# Altium PCB BACKPMANv20.PcbDoc (part 3 of 4) (continued)
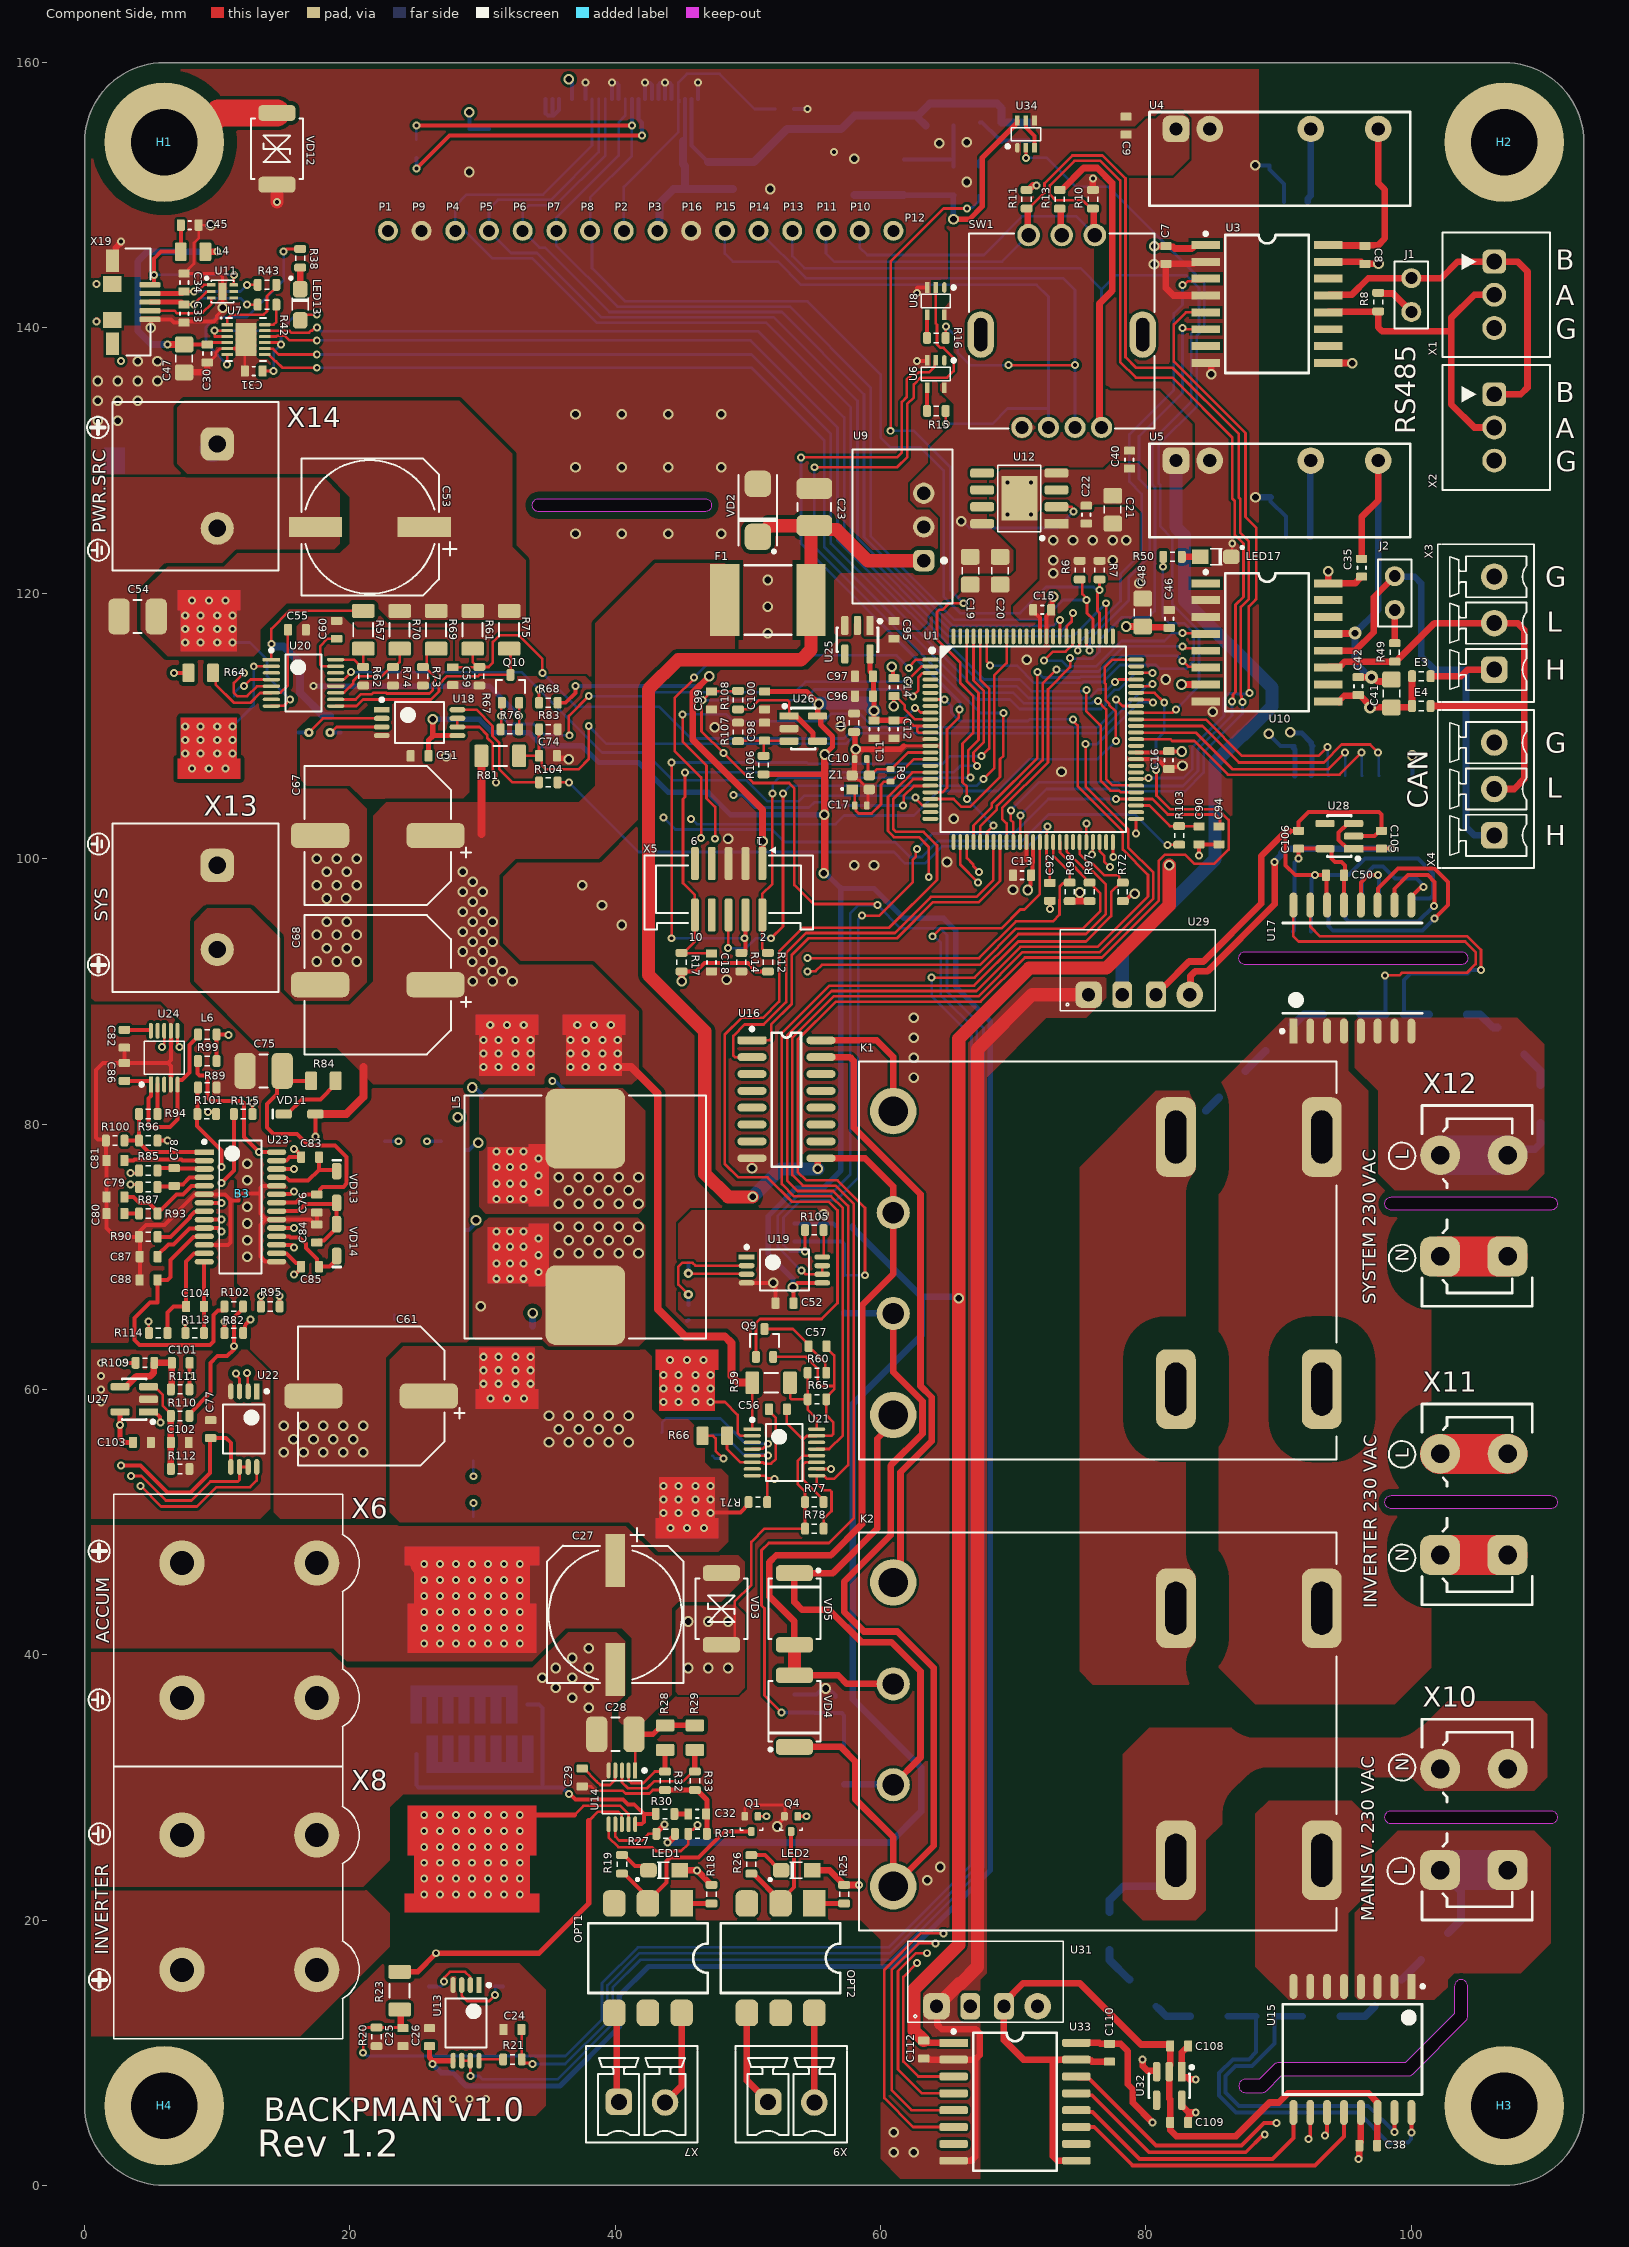
[diagram p0: Component Side view]
## Nets (pads, with @x,y where several pads share a name; then routed paths per layer and width w, separated by ;. In a path a pad name is that pad's centre, name@x,y a point inside that pad or via, vN(x,y) a via of type N, cw(c..) or ccw(c..) an arc to the next point about the centre after c; other vN are vias at no path point) (continued)
IV5V: C35.2 C41.2 C42.2 U5.7 U10.13 | length 30.3
  Component Side w0.5: U10.13@93.75,116.94 93.78,116.97 95.72,116.97 v5(95.75,117) ; C42.2@96,113.675 v5(96.993,113.676) ; C35.2@96.25,122.6 96.25,125.75 97.5,127 U5.7@97.5,130 ; v5(96.993,113.676) 97.129,113.676 97.454,113.35 98.35,113.35 C41.2@98.5,113.5
  Bottom Layer w0.5: v5(96.993,113.676) 96.858,113.676 96.137,114.396 96.104,114.396 95.75,114.75 v5(95.75,117) 97.5,118.75 U5.7@97.5,130
IV5V2: C8.2 U3.16 U4.7 | length 13
  Component Side w0.5: U3.16@93.75,146.25 93.787,146.213 96.462,146.213 C8.2@96.5,146.175 96.55,146.225 97.475,146.225 98,146.75 98,150.422 97.5,150.922 U4.7@97.5,155
L1: R35_1.1 U15.1 U15.2 U15.3 U15.4 X10.1 | length 16
  Layer 2 w3: X10.1@102.17,23.768 X10.1@107.25,23.768
  Bottom Layer w0.6: X10.1@102.17,23.768 103.75,22.188 103.75,20 102.917,19.167 R35_1.1@102.758,19.008
  Bottom Layer w3: X10.1@102.17,23.768 X10.1@107.25,23.768
L1.1: K2.8 U15.5 U15.6 U15.7 U15.8
L1_1: R35.1 R35_1.2 | length 2.1
  Bottom Layer w0.6: R35.1@99.258,15.508 R35_1.2@100.742,16.992
L1_2: R35.2 R36.1 | length 2.9
  Bottom Layer w0.6: R36.1@94.675,12.75 96.5,12.75 R35.2@97.242,13.492
L1_3: R36.2 R37.2 U15.15 | length 25.6
  Component Side w0.3: v1(98.73,4.02) U15.15@98.73,5.5
  Bottom Layer w0.3: R37.2@89.7,12.75 89.7,10.7 88,9 86.75,9 86,8.25 86,7 87,6 96.75,6 v1(98.73,4.02)
  Bottom Layer w0.5: R37.2@89.7,12.75 R36.2@91.825,12.75
L2: R48_1.1 U17.5 U17.6 U17.7 U17.8 X12.2 | length 19.6
  Layer 1 w3: X12.2@102.17,77.638 X12.2@107.25,77.638
  Layer 2 w3: X12.2@102.17,77.638 X12.2@107.25,77.638
  Bottom Layer w0.6: X12.2@107.25,77.638 107.709,78.097 109.297,78.097 109.75,78.55 R48_1.1@109.75,80.075
  Bottom Layer w3: X12.2@102.17,77.638 X12.2@107.25,77.638
L2.1: K1.1 K2.1 U17.1 U17.2 U17.3 U17.4
L2_1: R48.2 R48_1.2 | length 2.8
  Bottom Layer w0.6: R48.2@108.508,85.242 109.75,84 R48_1.2@109.75,82.925
L2_2: R47.2 R48.1 | length 2.7
  Bottom Layer w0.6: R47.2@104.175,88.25 105.182,88.25 106.174,87.258 R48.1@106.492,87.258
L2_3: R46.1 R47.1 U17.15 | length 27.3
  Component Side w0.2: U17.15@92.38,96.5 92.38,94.87 93.1,94.15 104.222,94.15 105.25,93.121 105.25,91.596 v1(105.245,91.59)
  Bottom Layer w0.3: R46.1@99.45,88.25 99.45,90.85 99.95,91.35 104.227,91.35 104.467,91.59 v1(105.245,91.59)
  Bottom Layer w0.6: R46.1@99.45,88.25 R47.1@101.325,88.25
L3: K1.8 X11.2 | length 10.2
  Component Side w3: X11.2@102.17,55.138 X11.2@107.25,55.138
  Layer 1 w3: X11.2@102.17,55.138 X11.2@107.25,55.138
LED_GR: U1.21 U6.2 | length 48.1
  Component Side w0.2: v1(54,130.25) 61.25,130.25 61.6,130.6 61.6,134.416 61.967,134.783 61.967,136.1 62.367,136.5 62.684,136.5 62.834,136.65 63.65,136.65 64.075,137.075 64.075,137.475 U6.2@64.15,137.55 ; U1.21@63.75,105 64.65,105 65,105.35 65,109.75 65.889,110.639 65.889,111.193 v1(65.935,111.239)
  Bottom Layer w0.2: v1(54,130.25) 54,123.75 66,111.75 66,111.304 v1(65.935,111.239)
LED_RD: U1.22 U8.2 | length 60.2
  Component Side w0.2: v1(55,129.5) 61.25,129.5 62,130.25 62,134.25 62.5,134.75 62.5,135.75 63,136.25 65,136.25 65.5,136.75 65.5,137.75 64.75,138.5 64.5,138.5 64.25,138.75 64.25,140.25 64.15,140.35 U8.2@64.15,143.05 ; U1.22@63.75,104.5 65.5,104.5 66.1,103.9 66.749,103.9 69,106.151 69,107.5 69.25,107.75 v1(69.25,110.975)
  Bottom Layer w0.2: v1(55,129.5) 55,123.5 67.525,110.975 v1(69.25,110.975)
LEDCAN0: R50.2 U1.95 | length 28.6
  Component Side w0.2: U1.95@68,116.75 68,114.858 68.25,114.608 v1(68.25,114.55) ; v1(81.275,122) 81.287,122.012 81.287,122.737 R50.2@81.3,122.75
  Bottom Layer w0.2: v1(68.25,114.55) 70.275,114.55 71.575,113.25 75.191,113.25 75.251,113.311 76.758,113.311 78.047,114.6 80.749,114.6 81.049,114.3 83.017,114.3 83.595,114.878 83.595,117.004 82.849,117.75 81.75,117.75 81.275,118.225 v1(81.275,122)
MAINS_PATH_STATE: C44.1 R51.2 R52.2 U1.70 VD6.3 | length 87.9
  Component Side w0.2: v1(58.822,68.6) 58.822,73.678 56.75,75.75 54.4,75.75 53.75,76.4 53.75,86.35 56.625,89.225 67.544,89.225 70.869,92.55 76.681,92.55 80.95,96.819 80.95,99.831 81.419,100.3 82.949,100.3 83.624,99.625 85.155,99.625 86.225,100.695 86.225,102.916 85.416,103.725 81.816,103.725 80.794,104.746 80.794,106.634 v1(80.75,106.678) ; U1.70@79.25,112.5 80.65,112.5 v1(81.375,111.775)
  Bottom Layer w0.2: R51.2@57.25,68.6 v1(58.822,68.6) ; v1(80.75,106.678) 80.75,108.921 81.375,109.546 v1(81.375,111.775)
  Bottom Layer w0.3: C44.1@53.5,71.15 57.074,71.15 57.25,70.974 VD6.3@57.25,70.2 R51.2@57.25,68.6
N1: K2.7 R40_1.1 X10.2 | length 7.6
  Bottom Layer w0.6: R40_1.1@77.25,20.6 77.25,21.5 78.3,22.55 81.084,22.55 82.25,23.716 K2.7@82.25,24.5
N1_1: R40.2 R40_1.2 | length 2.9
  Bottom Layer w0.6: R40_1.2@77.25,17.75 77.25,17 R40.2@78.742,15.508
N1_2: R39.2 R40.1 | length 2.9
  Bottom Layer w0.5: R40.1@80.758,13.492 80.9,13.35 R40.1@80.933,13.35
  Bottom Layer w0.6: R40.1@80.933,13.35 81.533,12.75 R39.2@83.325,12.75
N1_3: R37.1 R39.1 U15.16 | length 28
  Component Side w0.3: v1(100,4) U15.16@100,5.5
  Bottom Layer w0.3: R37.1@88.3,12.75 88.3,10.05 87.75,9.5 86.543,9.5 85.5,8.457 85.5,6.793 86.793,5.5 96,5.5 98.25,3.25 99.75,3.25 99.979,3.479 99.979,3.979 v1(100,4)
  Bottom Layer w0.5: R39.1@86.175,12.75 R37.1@88.3,12.75
N2: K1.2 K2.2 R44_1.1 X12.1 | length 11.6
  Component Side w3: X12.1@102.17,70.018 X12.1@107.25,70.018
  Layer 1 w3: X12.1@102.17,70.018 X12.1@107.25,70.018
  Bottom Layer w0.6: 84.525,81 84.525,81.025 R44_1.1@85.492,81.992
N2_1: R44.1 R44_1.2 | length 2.1
  Bottom Layer w0.6: R44_1.2@87.508,84.008 R44.1@88.992,85.492
N2_2: R44.2 R45.1 | length 2.6
  Bottom Layer w0.6: R44.2@91.008,87.508 91.158,87.508 91.9,88.25 R45.1@93.325,88.25
N2_3: R45.2 R46.2 U17.16 | length 29.5
  Component Side w0.2: U17.16@91.11,96.5 91.11,94.14 91.5,93.75 104.056,93.75 104.85,92.956 104.85,92.044 104.206,91.4 99.301,91.4 99.101,91.2 v1(98,91.2)
  Bottom Layer w0.3: v1(98,91.2) 98.052,91.148 R46.2@98.05,88.25 R46.2@98.05,88.25
  Bottom Layer w0.6: R45.2@96.175,88.25 R46.2@98.05,88.25
N3: K1.7 X11.1 | length 10.2
  Component Side w3: X11.1@102.17,47.518 X11.1@107.25,47.518
  Layer 1 w3: X11.1@102.17,47.518 X11.1@107.25,47.518
NetB1_1: B1.1 Q3.3 R24.2 U14.9 | length 9.5
  Component Side w0.2: 36.92,27.92 37.605,28.605 40.385,28.605 40.99,28 40.99,27.235 U14.9@41,27.225
  Component Side w0.4: v4(32.8,27.92) 36.92,27.92
  other v4: 25.6,21.92 26.8,21.92 28,21.92 29.2,21.92 30.4,21.92 31.6,21.92 32.8,21.92 25.6,23.12 26.8,23.12 28,23.12 29.2,23.12 30.4,23.12 31.6,23.12 32.8,23.12 25.6,24.32 26.8,24.32 28,24.32 29.2,24.32 30.4,24.32 31.6,24.32 32.8,24.32 25.6,25.52 26.8,25.52 28,25.52 29.2,25.52 30.4,25.52 31.6,25.52 32.8,25.52 25.6,26.72 26.8,26.72 28,26.72 29.2,26.72 30.4,26.72 31.6,26.72 32.8,26.72 25.6,27.92 26.8,27.92 28,27.92 29.2,27.92 30.4,27.92 31.6,27.92
NetC5_1: C5.1 LCD1.22 P3.1 | length 15
  Bottom Layer w0.3: 45.1,154.075 45.25,154.225 LCD1.22@45.25,157.25
  Bottom Layer w0.6: P3.1@43.18,147.32 43.325,147.465 43.325,149.4 44.4,150.475 45.25,150.475 ; 45.1,154.075 45.1,152.35 45.25,152.2 45.25,150.475 ; C5.1@48.875,150.475 45.25,150.475
NetC6_2: C6.2 R4.1 R5.1 U2.3 | length 7.3
  Bottom Layer w0.3: U2.3@67.4,152.15 67.4,152.6 68.8,154 69.1,154 C6.2@69.25,154.15 ; R5.1@67.5,155.5 67.65,155.5 68.85,154.3 69.1,154.3 C6.2@69.25,154.15 ; R4.1@71.25,154.1 71.225,154.125 69.275,154.125 C6.2@69.25,154.15
NetC29_1: C29.1 U14.4 | length 3.9
  Component Side w0.2: C29.1@37.5,31.425 37.625,31.425 38.6,30.45 38.875,30.175 39.6,30.175 39.981,30.556 39.981,31.256 U14.4@40,31.275
NetC30_1: C30.1 C47.1 L4.2 U7.4 | length 19.7
  Component Side w0.2: C30.1@9.25,138.75 9.4,138.9 U7.4@10.75,138.9
  Component Side w0.3: C47.1@7.5,138.75 C30.1@9.25,138.75
  Component Side w0.5: v1(6.25,138.75) C47.1@7.5,138.75 ; L4.2@9.1,145.75 v1(10,145.75)
  Bottom Layer w0.5: v1(6.25,138.75) 5.048,138.75 4,139.798 4,145 4.75,145.75 v1(10,145.75)
NetC32_1: C32.1 R30.2 | length 1.1
  Component Side w0.4: R30.2@44.45,28 C32.1@45.5,28
NetC45_1: C45.1 L4.1 U11.6 X19.1 | length 13.3
  Component Side w0.2: U11.6@11.25,143.25 v1(11.25,144)
  Component Side w0.3: X19.1@4.927,143.25 5.25,143.25 v1(5.25,144) 5.25,145.25 5.75,145.75 L4.1@7.25,145.75 C45.1@7.25,147.75
  Bottom Layer w0.2: v1(5.25,144) v1(11.25,144)
NetC56_2: C56.2 R66.1 U21.6 | length 9.3
  Component Side w0.2: R66.1@48.425,56.5 48.425,55.5 49.414,54.511 50.286,54.511 50.325,54.472 U21.6@50.341,54.489 ; U21.6@50.325,54.5 50.336,54.489 51.163,54.489 51.251,54.4 51.749,54.4 52.1,54.751 52.1,57.85 51.575,58.375 C56.2@51.575,58.5
NetC57_2: C57.2 Q9.3 R60.2 | length 6.6
  Component Side w0.2: Q9.3@51.25,64.55 53.4,64.55 54.575,63.375 54.575,63.125 54.775,62.925 54.9,62.925 55.825,62 55.825,61.325 R60.2@55.9,61.25
NetC60_2: C60.2 U20.15 | length 4.1
  Component Side w0.2: U20.15@18.925,114.5 17.867,114.5 17.75,114.617 17.75,116 18.325,116.575 C60.2@19,116.575
NetC79_2: C79.2 R93.1 U23.5 | length 7.4
  Component Side w0.3: C79.2@3,74.5 3.693,74.5 4.143,74.05 4.85,74.05 R93.1@5.5,73.4 ; R93.1@5.5,73.25 R93.1@5.5,73.4 ; U23.5@9.025,75.337 9.002,75.315 8.065,75.315 7.425,74.675 6.925,74.675 5.8,73.55 5.65,73.55 R93.1@5.5,73.4
NetC80_2: C80.2 R93.2 | length 1.1
  Component Side w0.3: C80.2@3,73.25 R93.2@4.1,73.25
NetC81_2: C81.2 U23.2 | length 6.1
  Component Side w0.3: C81.2@3,77.25 3.007,77.242 3.685,77.242 3.768,77.325 7.298,77.325 7.381,77.242 U23.2@9.025,77.242
NetC82_2: C82.2 U24.10 | length 2.1
  Component Side w0.3: C82.2@3,87.1 5,87.1 U24.10@5,87.025
NetC83_1: C83.1 U23.25 VD13.1 | length 6
  Component Side w0.3: U23.25@14.475,75.972 14.498,75.95 15.226,75.95 15.451,75.725 16.856,75.725 17.675,76.544 ; C83.1@17.675,77.5 17.675,76.544 ; VD13.1@19,76.45 18.906,76.544 17.675,76.544
NetC85_1: C85.1 U23.18 VD14.1 | length 6.4
  Component Side w0.3: U23.18@14.475,71.527 14.498,71.505 15.463,71.505 15.51,71.458 16.217,71.458 16.685,70.99 16.685,70.657 16.957,70.385 16.965,70.385 17.529,69.821 17.529,69.396 C85.1@17.675,69.25 18.461,69.25 19,69.789 VD14.1@19,70.05
NetC86_1: C86.1 L6.1 U24.1 U24.5 | length 15.2
  Component Side w0.3: C86.1@3,83.25 5,83.25 U24.1@5,82.975 5,82.125 4.8,81.925 4.8,79.951 4.976,79.775 6.45,79.775 7,80.325 7,83.324 7.349,83.324 7.9,83.875 7.9,85.95 8.55,86.6 L6.1@8.55,86.75
NetC98_1: C98.1 R106.1 R107.2 U26.3 | length 5
  Component Side w0.2: R107.2@49.25,108.85 49.275,108.875 C98.1@51.225,108.875 ; R106.1@51.175,107.75 51.188,107.762 51.188,108.838 C98.1@51.225,108.875 ; U26.3@53.1,108.85 53.075,108.875 51.275,108.875 C98.1@51.25,108.9 C98.1@51.225,108.875
NetC101_2: C101.2 R109.2 R111.1 U27.4 | length 7.1
  Component Side w0.5: U27.4@2.675,60.2 3.125,60.2 3.925,61 4.957,61 5.2,61.243 5.2,61.95 R109.2@5.25,62 C101.2@6.575,62 6.575,60.225 6.5,60.15 R111.1@6.5,60
NetC102_1: C102.1 R110.2 R112.2 U27.3 | length 7.2
  Component Side w0.2: U27.3@4.825,60.2 5.275,60.2 5.879,59.596 5.879,58.771 6.5,58.15 R110.2@6.5,58
  Component Side w0.5: R112.2@6.5,54 C102.1@6.5,56 R110.2@6.5,58
NetC104_1: C104.1 R113.1 U23.14 | length 5.4
  Component Side w0.3: R113.1@9,64.25 C104.1@9,66.25 9,69.598 U23.14@9.025,69.622
NetC104_2: C104.2 R114.1 U23.13 | length 8.2
  Component Side w0.3: R114.1@6.25,64.25 6.25,65.8 6.7,66.25 C104.2@7.65,66.25 7.65,69.65 8.235,70.235 9.002,70.235 U23.13@9.025,70.257
NetJ1_2: J1.2 R8.1 | length 3.1
  Component Side w0.5: R8.1@97.5,142.65 97.55,142.6 98.61,142.6 J1.2@100,141.21
NetJ2_1: J2.1 R49.2 | length 2.5
  Component Side w0.5: R49.2@98.75,116.25 J2.1@98.75,118.75
NetK1_3: K1.3 U16.16 | length 10.1
  Component Side w0.5: U16.16@55.5,86.31 59.69,86.31 60.95,85.05 K1.3@60.95,80.968
NetK1_5: K1.5 K2.6 R51.1 VD4.1 | length 71.4
  Component Side w0.5: VD4.1@53.5,33.05 57,33.05 58.075,31.975 58.075,29.125 60.95,26.25 K2.6@60.95,22.55 64,25.6 64,39 61.25,41.75 58.74,41.75 57.25,43.24 57.25,45.5 60.75,49 60.75,54.25 63.15,56.65 63.15,59.1 60.95,61.3 K1.5@60.95,65.718
  Bottom Layer w0.5: R51.1@57.25,65.75 57.266,65.734 60.934,65.734 K1.5@60.95,65.718
NetK1_6: K1.6 K2.5 R53.1 VD5.1 | length 43.8
  Component Side w0.5: K2.5@60.95,30.2 63,32.25 63,38.75 60.8,40.95 58.55,40.95 56.125,43.375 54.086,43.375 53.5,43.961 VD5.1@53.5,46.15 56.4,46.15 59.75,49.5 59.75,56.275 60.95,57.475 K1.6@60.95,58.068
  Bottom Layer w0.5: R53.1@57.25,30.25 57.275,30.225 60.925,30.225 K2.5@60.95,30.2 ; K1.6@60.95,58.068 60.95,58.05 K1.6@61,58
NetK2_3: K2.3 U16.15 | length 45.5
  Component Side w0.5: U16.15@55.5,85.04 57.682,85.04 57.975,84.747 57.975,79.725 63,74.7 63,60.25 63.85,59.4 63.85,56.1 61.5,53.75 61.5,46 K2.3@60.95,45.45
NetL1_2: L1.2 U2.1 VD1.2 | length 6.9
  Bottom Layer w0.3: L1.2@61.75,152.7 65.375,152.7 U2.1@65.5,152.575 ; U2.1@65.5,152.15 U2.1@65.5,152.575 ; VD1.2@65.5,155.25 U2.1@65.5,152.575
NetLCD1_15: LCD1.15 R2.2 | length 21.7
  Component Side w0.3: v1(25,152) 27.5,154.5 v1(42,154.5)
  Bottom Layer w0.3: v1(25,152) R2.2@25,152.8 ; LCD1.15@41.75,157.25 41.75,155.74 42,155.49 v1(42,154.5)
NetLCD1_21: LCD1.21 P2.1 R3.2 | length 21.9
  Bottom Layer w0.2: P2.1@40.64,147.32 40.64,150.64 44.75,154.75 LCD1.21@44.75,157.05 ; R3.2@52.05,156.5 50.5,156.5 47.85,159.15 45.4,159.15 44.75,158.5 LCD1.21@44.75,157.25 ; LCD1.21@44.75,157.05 44.8,157 44.8,157.2 LCD1.21@44.75,157.25 ; LCD1.21@44.75,157.05 LCD1.21@44.75,157.25
NetLED1_2: LED1.2 R19.2 | length 2.5
  Component Side w0.3: R19.2@40.5,24.9 40.65,24.9 41.477,24.073 42.177,24.073 LED1.2@42.5,23.75
NetLED2_2: LED2.2 R26.2 | length 2.7
  Component Side w0.3: R26.2@50.25,24.9 51.275,24.9 52.425,23.75 LED2.2@52.5,23.75
NetLED13_2: LED13.2 R38.1 | length 1.6
  Component Side w0.5: LED13.2@16.25,142.925 R38.1@16.25,144.55
NetLED17_1: LED17.1 R50.1 | length 1.4
  Component Side w0.5: R50.1@82.7,122.75 LED17.1@84.075,122.75
NetOPT1_1: OPT1.1 R18.2 | length 2.3
  Component Side w0.4: OPT1.1@45,21.25 R18.2@47.25,21.25
NetOPT1_2: OPT1.2 Q1.3 R19.1 | length 14.2
  Component Side w0.3: R19.1@40.5,23.5 40.65,23.5 41.93,22.22 41.93,21.78 OPT1.2@42.46,21.25 42.46,21.4 43.875,22.815 43.875,24.445 44.155,24.725 46.282,24.725 48.232,26.675 Q1.3@50.25,26.675
NetOPT1_4: OPT1.4 X7.1 | length 6.8
  Component Side w0.5: OPT1.4@39.92,13 40.098,12.822 40.098,6.478 X7.1@40.275,6.301
NetOPT1_6: OPT1.6 X7.2 | length 7.3
  Component Side w0.5: X7.2@43.75,6.25 45,7.5 OPT1.6@45,13
NetOPT2_1: OPT2.1 R25.2 | length 2.3
  Component Side w0.4: OPT2.1@55,21.25 R25.2@57.25,21.25
NetOPT2_2: OPT2.2 Q4.3 R26.1 | length 9
  Component Side w0.3: R26.1@50.25,23.5 R26.1@50.4,23.5 ; OPT2.2@52.46,21.25 52.46,21.44 52.46,21.457 53.475,22.472 53.475,24.743 53.25,24.968 Q4.3@53.25,26.675
  Component Side w0.4: R26.1@50.4,23.5 OPT2.2@52.46,21.44
NetOPT2_4: OPT2.4 X9.1 | length 7.4
  Component Side w0.5: OPT2.4@49.92,13 49.92,7.906 X9.1@51.525,6.301
NetOPT2_6: OPT2.6 X9.2 | length 6.7
  Component Side w0.5: X9.2@55,6.25 OPT2.6@55,13
NetP14_1: P14.1 R16.2 SW1.3 | length 48.5
  Component Side w0.2: R16.2@64.9,139.25 64.9,139.975 64.925,140 v1(64.925,140.1) ; v1(69.65,137.2) v1(74.65,137.2)
  Bottom Layer w0.2: P14.1@50.8,147.32 54.37,143.75 73.75,143.75 74.65,142.85 v1(74.65,137.2) SW1.3@74.65,132.5 ; v1(64.925,140.1) 65.8,139.225 65.8,138.15 66.75,137.2 v1(69.65,137.2)
NetP15_1: P15.1 R15.2 SW1.2 | length 46.5
  Component Side w0.2: R15.2@64.9,133.75 64.9,132.8 v1(64.925,132.775)
  Bottom Layer w0.2: P15.1@48.26,147.32 48.26,145.607 48.867,145 52.25,145 54,143.25 71.75,143.25 72.65,142.35 72.65,134 ; v1(64.925,132.775) 68.425,132.775 69.575,133.925 72.575,133.925 72.65,134 ; SW1.2@72.65,132.5 72.65,133.925 72.65,134
NetQ2_2: Q2.2 Q3.2
NetQ5_1: Q5.1 U21.4 | length 11
  Component Side w0.2: U21.4@50.325,55.5 50.336,55.511 51.111,55.511 v1(51.5,55.9)
  Bottom Layer w0.2: Q5.1@43.5,56.75 43.533,56.783 43.533,57.508 43.825,57.8 47.933,57.8 49.833,55.9 v1(51.5,55.9)
NetQ5_2: Q5.2 Q6.2 U21.5 | length 6.1
  Component Side w0.2: U21.5@50.325,55 v1(51.5,55)
  Bottom Layer w0.2: Q5.2@47.247,56.588 48.162,56.588 49.65,55.1 51.4,55.1 v1(51.5,55)
NetQ5_3: Q5.3 R56.1 U21.2 | length 5.1
  Component Side w0.2: v3(47.183,59.046) 48.254,59.046 49.225,58.075 49.225,56.7 49.425,56.5 U21.2@50.325,56.5
  Bottom Layer w0.3: R56.1@45.41,65.155 R56.1@45.5,65.245
  other v3: 43.627,59.046 44.77,59.046 46.04,59.046 43.627,60.062 44.77,60.062 46.04,60.062 47.183,60.062 43.627,61.078 44.77,61.078 46.04,61.078 47.183,61.078 44.135,62.2 45.41,62.2 46.66,62.2
NetQ6_1: Q6.1 R66.2 | length 3.7
  Component Side w0.2: R66.2@46.575,56.5 47.37,56.5 47.56,56.31 47.56,55.37 v1(48.142,54.788)
  Bottom Layer w0.2: Q6.1@47.31,55 47.522,54.788 v1(48.142,54.788)
NetQ8_3: Q8.3 R55.2 U20.2 | length 6.5
  Component Side w0.2: v1(12.75,114.5) U20.2@14.075,114.5
  Bottom Layer w0.2: v3(11.143,109.954) 12.75,111.561 v1(12.75,114.5)
  other v3: 8.11,106.8 9.36,106.8 10.635,106.8 7.587,107.922 8.73,107.922 10,107.922 11.143,107.922 7.587,108.938 8.73,108.938 10,108.938 11.143,108.938 7.587,109.954 8.73,109.954 10,109.954
NetQ17_2: Q17.2 Q18.2 R86.2
NetR15_1: R15.1 U6.4 | length 1.8
  Component Side w0.3: R15.1@63.5,133.75 U6.4@63.5,135.5
NetR16_1: R16.1 U8.4 | length 1.7
  Component Side w0.3: R16.1@63.5,139.25 U8.4@63.5,141
NetR21_1: R21.1 U13.8 | length 1.9
  Component Side w0.2: U13.8@29.725,9.4 29.725,9.408 29.817,9.5 R21.1@31.55,9.5
NetR29_1: R29.1 R33.2 U14.3 | length 8.7
  Component Side w0.2: U14.3@40.5,31.275 40.5,30.375 40.94,29.935 42.401,29.935 42.941,30.475 45.125,30.475 45.85,31.2 R33.2@46,31.2
  Component Side w0.4: R33.2@46,31.2 R29.1@46,32.825
NetR38_2: R38.2 U7.6 | length 15
  Component Side w0.2: v1(10.75,137.25) U7.6@10.75,138 ; v1(15,145.75) 15.2,145.95 R38.2@16.25,145.95
  Bottom Layer w0.2: v1(10.75,137.25) 9.15,138.85 9.15,140.069 9.892,140.811 12.231,140.811 15,143.581 v1(15,145.75)
NetR42_1: R42.1 U7.12 | length 2.3
  Component Side w0.2: U7.12@13.58,140.25 14.25,140.25 14.45,140.45 R42.1@14.45,141.75
NetR43_1: R43.1 U7.1 | length 6
  Component Side w0.2: U7.1@10.75,140.25 10.75,140.675 11.075,141 13.5,141 13.75,141.25 13.75,142.4 14.45,143.1 R43.1@14.45,143.25
NetR57_1: R57.1 R62.1 U20.16 | length 3.7
  Component Side w0.2: U20.16@18.925,115 20.3,115 20.85,114.45 R62.1@21,114.45 R57.1@21,115.825
NetR59_1: R59.1 R60.1 R65.2 U21.16 | length 7
  Component Side w0.2: R59.1@53.175,60.5 53.175,59.367 53.292,59.25 R65.2@54.5,59.25 ; R60.1@54.5,61.25 R65.2@54.5,59.25 ; U21.16@55.175,57 55.175,57.8 54.5,58.475 R65.2@54.5,59.25
NetR69_1: R69.1 R73.2 U20.10 | length 11.8
  Component Side w0.2: U20.10@18.925,112 20.434,112 20.834,112.4 21.65,112.4 21.75,112.5 22.714,112.5 22.764,112.45 25.986,112.45 26.25,112.714 26.25,113.25 26.417,113.417 26.417,113.683 25.65,114.45 25.594,114.45 25.791,114.646 25.791,115.402 26.213,115.825 R69.1@26.5,115.825
NetR70_1: R70.1 R74.2 U20.11 | length 6.9
  Component Side w0.2: U20.11@18.925,112.5 18.936,112.511 19.565,112.511 20.25,113.197 20.25,113.386 20.614,113.75 22.4,113.75 23.1,114.45 R74.2@23.25,114.45 23.373,114.45 23.75,114.827 R70.1@23.75,115.825
NetR71_1: R71.1 U21.8 U21.10 | length 9.2
  Component Side w0.2: U21.8@50.325,53.5 51.25,53.5 51.45,53.3 ; R71.1@51.45,51.5 51.45,53.3 ; v1(52,53.25) 51.95,53.3 51.45,53.3 ; U21.10@55.175,54 v1(56.25,54)
  Layer 1 w0.2: v1(52,53.25) 52.75,54 v1(56.25,54)
NetR77_1: R77.1 U21.11 | length 4.6
  Component Side w0.2: U21.11@55.175,54.5 54.325,54.5 54.15,54.325 54.15,53.2 55.7,51.65 R77.1@55.7,51.5
NetR84_2: R84.2 VD11.1 | length 5.1
  Component Side w0.3: VD11.1@15,80.75 15.275,80.75 16.375,81.85 17.775,81.85 18.925,83 R84.2@18.925,83.25
NetR85_1: R85.1 R86.4 | length 26.7
  Component Side w0.2: v1(3.475,76.3) 3.904,76.3 4.1,76.496 R85.1@4.1,76.5
  Layer 1 w0.2: v1(3.475,76.3) 3.85,75.925 4.675,75.925 7.413,78.663 9.663,78.663 11.29,80.29 22.085,80.29 23.075,79.3 24.272,79.3 24.872,78.7 v1(25.825,78.7)
  Bottom Layer w0.3: v1(25.825,78.7) R86.4@26.85,78.7
NetR86_3: R86.3 R87.1 | length 24.5
  Component Side w0.2: v1(3.455,75.445) 3.905,75.445 R87.1@4.1,75.25
  Layer 1 w0.2: v1(3.455,75.445) 3.514,75.386 4.055,75.386 4.192,75.25 4.625,75.25 7.55,78.175 9.925,78.175 11.64,79.89 21.86,79.89 23.05,78.7 v1(23.675,78.7)
  Bottom Layer w0.3: R86.3@22.65,78.7 v1(23.675,78.7)
NetR89_2: R89.2 R101.1 U23.9 | length 13.4
  Component Side w0.3: R89.2@8.55,82.75 8.525,82.725 8.525,80.775 8.475,80.725 8.475,79.85 10.325,78 v1(10.325,76.75) ; U23.9@9.025,72.797 9.027,72.799 v1(10.325,72.801) v1(10.325,72.801)
  Layer 1 w0.3: v1(10.325,72.801) 10.3,72.775 9.751,72.775 9.575,72.951 9.575,76.574 9.751,76.75 v1(10.325,76.75)
NetR90_2: R90.2 U23.8 | length 4.4
  Component Side w0.3: R90.2@5.5,71.5 5.525,71.475 6.475,71.475 7.95,72.95 7.95,73.029 8.278,73.357 8.35,73.357 8.365,73.372 8.418,73.372 8.478,73.432 U23.8@9.025,73.432
NetR94_1: R94.1 U24.2 | length 2.2
  Component Side w0.3: R94.1@5.5,80.75 U24.2@5.5,82.975
NetR95_2: R95.2 R99.2 U23.28 | length 24.2
  Component Side w0.3: R99.2@8.55,84.75 8.5,84.7 8.5,83.814 8.676,83.638 9.074,83.638 9.25,83.462 9.25,82 9.5,81.75 11.824,81.75 12,81.574 12,79.025 v1(13.15,77.875) 13.152,77.877 U23.28@14.475,77.877 ; R95.2@14.7,66.1 R95.2@14.7,66.25 v1(14.7,67.05)
  Layer 1 w0.3: v1(13.15,77.875) 13.15,68.6 v1(14.7,67.05)
NetR103_1: R103.1 U22.8 | length 147.4
  Component Side w0.2: v1(4.2,52.7) 4.25,52.7 5.775,51.175 8.475,51.175 9.925,52.625 12.475,52.625 12.975,53.125 U22.8@12.975,54.15 ; v1(81.625,101.025) 81.637,101.037 82.488,101.037 R103.1@82.5,101.05
  Layer 2 w0.2: v1(4.2,52.7) 4.2,53.875 3.925,54.15 3.925,61.205 4.37,61.65 4.37,62.33 3.25,63.45 3.25,74.404 3.471,74.625 3.484,74.625 4.25,75.391 4.25,76.025 4.35,76.125 4.35,76.65 3.1,77.9 3.1,100.177 6.048,103.125 13.441,103.125 15.666,105.35 30.4,105.35 31.15,104.6 38.066,104.6 39.216,105.75 40.975,105.75 v1(43.625,103.1)
  Bottom Layer w0.2: v1(43.625,103.1) 44.525,102.2 51.8,102.2 52.75,101.25 61.075,101.25 62.2,100.125 63.125,100.125 64.325,101.325 70.65,101.325 72.65,103.325 79.175,103.325 81.475,101.025 v1(81.625,101.025)
NetR104_1: R104.1 U18.8 | length 10
  Component Side w0.2: U18.8@28.1,111.225 29.525,111.225 30.75,110 30.75,109.245 31.25,108.745 31.25,106.75 32.25,105.75 R104.1@34.25,105.75
NetR105_1: R105.1 U19.8 | length 2.1
  Component Side w0.2: U19.8@55.6,69.975 55.608,69.975 55.7,70.067 R105.1@55.7,72
NetR108_2: R108.2 U26.1 U26.4 | length 8.5
  Component Side w0.2: R108.2@49.25,111.25 50.145,111.25 50.845,111.95 52.983,111.95 53.1,111.833 U26.1@53.1,110.75
  Component Side w0.4: U26.1@53.1,110.75 53.175,110.675 53.71,110.675 54.909,109.477 54.909,108.925 54.984,108.85 U26.4@55.25,108.85
NetR115_1: R115.1 U23.7 | length 8.4
  Component Side w0.3: U23.7@9.025,74.067 9.032,74.06 10.318,74.06 v1(10.325,74.053) ; v1(10.325,75.55) 11.262,76.487 11.262,80.738 R115.1@11.25,80.75
  Layer 1 w0.3: v1(10.325,74.053) v1(10.325,75.55)
NetU11_3: U11.3 X19.4 | length 5.4
  Component Side w0.2: X19.4@4.927,141.3 5.25,141.3 6.774,141.3 6.974,141.1 8.181,141.1 8.231,141.15 8.9,141.15 9.55,141.8 U11.3@9.55,142.25
NetU34_3: U34.3 U34.5 | length 2.3
  Component Side w0.3: U34.5@70.95,155.632 70.95,155.107 71.6,154.457 U34.3@71.6,153.582
OLED+5V: C115.1 L1.1 U2.5 U34.6 | length 19.5
  Component Side w0.4: v2(65.488,148.187) 66.677,148.187 67.669,149.179 67.669,152.851 70.3,155.482 U34.6@70.3,155.632
  Bottom Layer w0.4: C115.1@58,150.05 C115.1@58.025,150.025 ; L1.1@61.725,150.025 L1.1@61.75,150 U2.5@65.5,150 65.475,149.975 65.475,148.25 v2@65.45,148.225
  Bottom Layer w0.6: C115.1@58.025,150.025 L1.1@61.725,150.025
OLED_CLK: LCD1.13 P7.1 R6.1 U1.79 | length 76.7
  Component Side w0.2: R6.1@75,121.05 75.004,121.05 75.2,120.854 75.2,119.935 75.55,119.585 75.55,118.496 76,118.046 U1.79@76,116.75
  Bottom Layer w0.2: LCD1.13@40.75,157.25 40.75,156 40.25,155.5 40.25,153 35.56,148.31 P7.1@35.56,147.32 35.56,146.19 40.15,141.6 53.15,141.6 59.25,135.5 59.25,124.316 65.566,118 72.25,118 73.75,119.5 v1(75.5,119.5)
OLED_CS: LCD1.8 P4.1 U1.77 | length 88.6
  Component Side w0.2: U1.77@77,116.75 v1(77,119.25)
  Bottom Layer w0.2: LCD1.8@38.25,157.25 38.25,153.75 34.55,150.05 28.8,150.05 27.94,149.19 P4.1@27.94,147.32 28.68,147.32 30.75,145.25 33.75,145.25 38.6,140.4 51.35,140.4 57.75,134 57.75,124.119 65.119,116.75 74.5,116.75 v1(77,119.25)
OLED_DC: LCD1.10 P6.1 U1.84 | length 74.2
  Component Side w0.2: U1.84@73.5,116.75 73.515,116.765 73.515,117.956 v1(73.529,117.971)
  Bottom Layer w0.2: LCD1.10@39.25,157.25 39.25,153 35.5,149.25 33.5,149.25 33.02,148.77 P6.1@33.02,147.32 34.29,146.05 34.7,146.05 39.55,141.2 52.55,141.2 58.75,135 58.75,124.25 65.45,117.55 73.031,117.55 73.451,117.971 v1(73.529,117.971)
OLED_DIN: LCD1.14 P8.1 R2.1 R7.2 U1.78 | length 93.8
  Component Side w0.2: 76.35,119.965 76.35,118.671 76.5,118.521 U1.78@76.5,116.75 ; v1@76.5,120.115 v1(76.5,120.25) ; v1@76.5,120.319 R7.2@76.5,121.05
  Component Side w0.3: v1(25,155.25) v1(41.25,155.25)
  Bottom Layer w0.2: R2.1@25,154.2 v1(25,155.25) ; v1(41.25,155.25) 41.25,152.968 38.1,149.818 P8.1@38.1,147.32 38.1,146.968 38.25,146.818 38.25,144.5 40.75,142 54.5,142 60,136.5 60,131.75 60.75,131 63,131 64.75,129.25 64.75,119.75 66,118.5 70.5,118.5 72.475,120.475 76.058,120.475 76.206,120.327 76.423,120.327 v1(76.5,120.25)
  Bottom Layer w0.3: v1(41.25,155.25) LCD1.14@41.25,157.25
OLED_RES: LCD1.9 P5.1 U1.83 | length 81.1
  Component Side w0.2: U1.83@74,116.75 74.019,116.769 74.019,117.484 74.404,117.869 74.404,118.404 v1(74.5,118.5)
  Bottom Layer w0.2: LCD1.9@38.75,157.25 38.75,153.25 35.15,149.65 31.15,149.65 30.48,148.98 P5.1@30.48,147.32 32.15,145.65 34.1,145.65 38.95,140.8 51.95,140.8 58.25,134.5 58.25,124.184 65.284,117.15 73.628,117.15 74.404,117.926 74.404,118.404 v1(74.5,118.5)
OLEDP: U1.67 U34.2 | length 56.7
  Component Side w0.2: U34.2@70.95,153.582 70.959,153.573 70.959,152.824 v1(70.967,152.815) ; U1.67@79.25,111 82,111 v1(82.25,111.25)
  Bottom Layer w0.2: v1(70.967,152.815) 72.527,152.815 74.692,150.65 77.119,150.65 84.4,143.369 84.4,140.009 83.837,139.446 83.837,134.087 80.96,131.21 80.96,128.271 81.075,128.156 81.075,125.044 81.975,124.144 81.975,119.189 83.995,117.169 83.995,112.995 v1(82.25,111.25)
OLEDV: U1.31 U2.4 | length 60.3
  Component Side w0.2: v1(60.75,132.25) 60.75,145 64.75,149 v1(66.5,149) ; v1(66.25,119.25) 65.167,119.25 64.682,118.766 64.441,118.766 64.25,118.575 64.25,116.53 66,114.78 66,113.225 66.975,112.25 66.975,109.475 66.173,108.673 66.173,105.751 66.5,105.424 v1(66.5,104.5) ; U1.31@68,101.25 68.019,101.269 68.019,102.019 v1(68.5,102.5)
  Bottom Layer w0.2: v1(60.75,132.25) 62.5,132.25 65.25,129.5 65.25,120.25 v1(66.25,119.25) ; v1(66.5,104.5) v1(68.5,102.5) ; v1(66.5,149) 66.577,149.077 66.927,149.077 67.4,149.55 U2.4@67.4,150
OUT1: Q1.1 U1.51 | length 101.5
  Component Side w0.2: Q1.1@50.75,27.825 v1(51.4,27.825) ; v1(79.25,101.9) U1.51@79.25,103
  Layer 1 w0.2: v1(51.4,27.825) 52,28.425 57.037,28.425 57.987,27.475 62.916,27.475 64.35,28.909 64.35,68.6 65.65,69.9 65.65,99.289 67.111,100.75 74.952,100.75 76.102,101.9 v1(79.25,101.9)
OUT2: Q4.1 U1.50 | length 96.6
  Component Side w0.2: U1.50@77.5,101.25 77.516,101.234 77.516,100.137 v1(77.532,100.121)
  Component Side w0.3: Q4.1@53.75,27.825 v1(54.4,27.825)
  Layer 1 w0.2: v1(54.4,27.825) 55.15,27.075 63.081,27.075 64.75,28.744 64.75,68.25 66.05,69.55 66.05,99.124 67.276,100.35 75.117,100.35 75.687,100.919 76.656,100.919 77.454,100.121 v1(77.532,100.121)
OVED_VCC: C3.1 C4.2 C6.1 LCD1.23 R4.2 VD1.1 | length 33.7
  Bottom Layer w0.3: LCD1.23@45.75,157.25 45.75,153.75 47,152.5
  Bottom Layer w0.6: 47,152.5 50.45,152.5 52.95,155 57.025,155 58.025,156 C4.2@59.675,156 C3.1@61.709,156 ; C3.1@61.5,156 C3.1@61.709,156 ; VD1.1@63.4,155.25 62.8,155.85 62.8,156 ; R4.2@71.25,155.5 C6.1@69.25,155.5 69.125,155.5 69.125,156.549 68.774,156.9 63.7,156.9 62.8,156 ; C3.1@61.709,156 62.8,156